# Altium PCB IN-14辉光钟_PCB.PcbDoc (part 2 of 2)
Units mil, origin at the board's own origin, x right, y up, seen from the top; angles counter-clockwise.
Board outline 7883.4 x 2962.79 mil, 2 copper layers (Top Layer, Bottom Layer); 148 components, 171 nets, 658 pads, 217 vias.
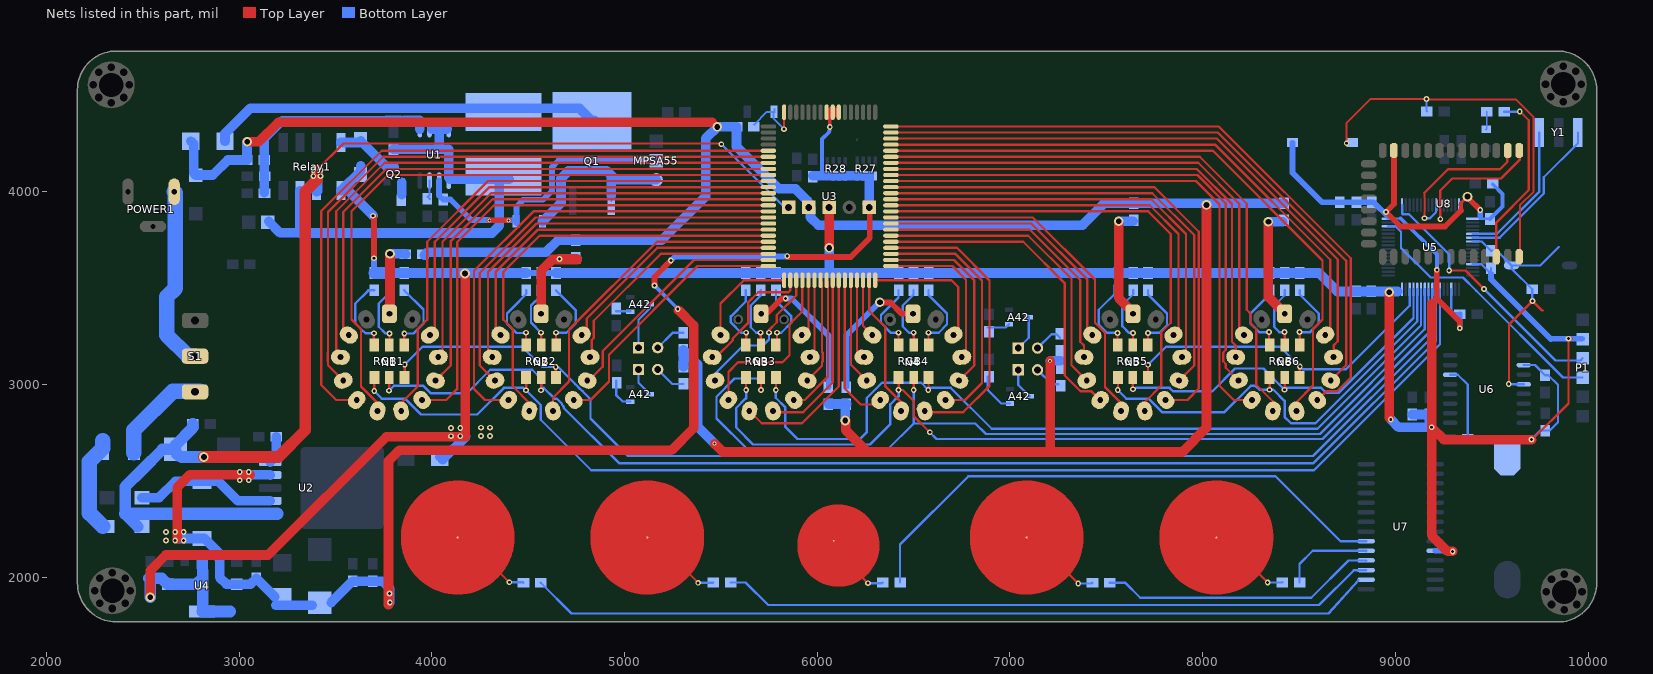
[diagram p2: the nets of this part, all layers, seen from the top]

## Via types
v1: diameter 30, hole 15, Top Layer to Bottom Layer, tented both sides, 148 vias
v2: diameter 26, hole 13, Top Layer to Bottom Layer, tented both sides, 41 vias
v3: diameter 50, hole 30, Top Layer to Bottom Layer, tented both sides, 16 vias
v4: diameter 20, hole 10, Top Layer to Bottom Layer, 7 vias
v5: diameter 30, hole 16, Top Layer to Bottom Layer, tented both sides, 3 vias
v6: diameter 50, hole 25, Top Layer to Bottom Layer, 2 vias

## Nets (pads, with @x,y where several pads share a name; then routed paths per layer and width w, separated by ;. In a path a pad name is that pad's centre, name@x,y a point inside that pad or via, vN(x,y) a via of type N, cw(c..) or ccw(c..) an arc to the next point about the centre after c; other vN are vias at no path point) (continued)
LED1: RGB1.6 RGB2.6 U5.22 | length 6553.9
  Top Layer w12: v1(3701,2965) 3701.77,2965.77 RGB1.6@3701.77,3035.34 ; v1(4488,2969) 4489.17,2970.17 RGB2.6@4489.17,3035.34
  Bottom Layer w12: v1(3701,2965) 3740.3,2925.7 3743.16,2925.7 3860.93,2925.7 3943.62,2843 4235,2843 4373.6,2981.6 4475.4,2981.6 v1(4488,2969) 4565,2892 4565,2816 4827,2554 8577.62,2554 9231.21,3207.59 U5.22@9231.21,3493.5
LED2: RGB1.5 RGB2.5 U5.23 | length 6431.6
  Top Layer w12: v1(3777,2967) 3779.53,2969.53 RGB1.5@3779.53,3035.34 ; RGB2.5@4566.93,3035.34 4566.93,2969.07 v1(4567,2969)
  Bottom Layer w12: v1(3777,2967) 3802,2992 3957,2992 3996,2953 4180.71,2953 4303.28,3075.57 4521.43,3075.57 4567,3030 v1(4567,2969) 4580,2982 4636.3,2925.7 4648.33,2925.7 4675.16,2898.87 4675.16,2893.73 4683.62,2885.27 4683.62,2878.38 4971,2591 8575.25,2591 9210.84,3226.59 9210.84,3492.81 U5.23@9211.53,3493.5
LED3: RGB1.4 RGB2.4 U5.24 | length 6298.7
  Top Layer w12: RGB1.4@3857.28,3035.34 3859,3037.05 v1(3859,3103) ; v1(4643,3090) 4643,3037.02 RGB2.4@4644.69,3035.34
  Bottom Layer w12: v1(3859,3103) 3951.3,3195.3 3959.09,3195.3 3959.29,3195.1 3998.27,3195.1 3998.47,3195.3 4347.99,3195.3 4348.19,3195.1 4387.17,3195.1 4387.37,3195.3 4467.7,3195.3 4573,3090 v1(4643,3090) 4656.26,3090 4744.15,3002.11 4744.15,3001.08 4769.3,2975.93 4770.33,2975.93 4782.86,2963.4 ; 4777.5,2967.5 4823,2922 4823,2823 5018,2628 8572.88,2628 9191.84,3246.96 U5.24@9191.84,3493.5
LED4: RGB3.6 RGB4.6 U5.25 | length 4779.1
  Top Layer w12: RGB3.6@5629.92,3035.34 5629.92,2972.08 v1(5631,2971) ; RGB4.6@6422.05,3035.34 v1(6422,2971) v1(6422,2971) 6443,2971 6501.84,2912.16 6501.84,2833.12 v1(6584,2751)
  Bottom Layer w12: v1(5631,2971) 5631,2927 5629.7,2925.7 5627.24,2925.7 5579,2877.46 5579,2776 5667,2688 6273,2688 6379.36,2794.36 6379.36,2896.22 6422,2938.86 v1(6422,2971) ; v1(6584,2751) 6618.46,2716.54 8622.05,2716.54 9172.16,3266.65 U5.25@9172.16,3493.5 U5.25@9172,3493.65
LED5: RGB3.5 RGB4.5 U5.26 | length 4987.8
  Top Layer w12: RGB3.5@5707.68,3035.34 5707.68,2971.32 v1(5708,2971) ; RGB4.5@6499.8,3035.34 6499.8,2971.2 v1(6500,2971)
  Bottom Layer w12: v1(5708,2971) 5708,3009 5687,3030 5571,3030 5476.9,2935.9 5476.9,2823.1 5640,2660 6363,2660 6500,2797 ; v1(6500,2971) 6500,2797 ; U5.26@9152.47,3493.5 9152.47,3286.33 8608.14,2742 6875,2742 6820,2797 6500,2797
LED6: RGB3.4 RGB4.4 U5.27 | length 4409
  Top Layer w12: v1(5785,2971) 5785.43,2971.43 RGB3.4@5785.43,3035.34 ; v1(6576,2971) 6577.56,2972.56 RGB4.4@6577.56,3035.34
  Bottom Layer w12: v1(5785,2971) 5785,2930.76 5833,2882.76 5833,2781 5898,2716 6222,2716 6256,2750 6256,2928 6336,3008 6539,3008 v1(6576,2971) 6586.58,2981.58 6692.78,2981.58 6905.37,2769 8595.77,2769 9132.79,3306.02 U5.27@9132.79,3493.5
LED7: RGB5.6 RGB6.6 U5.28 | length 2303
  Top Layer w12: v1(7559,2970) 7560.04,2971.04 RGB5.6@7560.04,3035.34 ; v1(8346,2972) 8347.44,2973.44 RGB6.6@8347.44,3035.34
  Bottom Layer w12: v1(7559,2970) 7603.3,2925.7 7719.19,2925.7 7789.11,2855.78 8113.56,2855.78 8249.78,2992 8274.62,2992 8294.62,2972 v1(8346,2972) 8367,2972 8425,2914 8425,2831 8458.17,2797.83 8585.23,2797.83 9113.1,3325.7 U5.28@9113.1,3493.5
LED8: RGB5.5 RGB6.5 U5.29 | length 2011.4
  Top Layer w12: v1(7637.8,2974.2) RGB5.5@7637.8,3035.34 ; v1(8425,2972) 8425.2,2972.2 RGB6.5@8425.2,3035.34
  Bottom Layer w12: v1(7637.8,2974.2) 7646.2,2974.2 7653.58,2981.58 7828.42,2981.58 7846.6,2963.4 8049.38,2963.4 8167.98,3082 8315,3082 v1(8425,2972) 8434.58,2981.58 8615.42,2981.58 8642,2955 8705,2955 9093.42,3343.42 U5.29@9093.42,3493.5
LED9: RGB5.4 RGB6.4 U5.30 | length 1790.8
  Top Layer w12: RGB5.4@7715.55,3035.34 7716,3035.79 v1(7716,3101) ; RGB6.4@8502.95,3035.34 8504,3036.39 v1(8504,3092)
  Bottom Layer w12: v1(7716,3101) 7810.1,3195.1 7868.22,3195.1 7868.42,3195.3 7926.79,3195.3 7926.99,3195.1 8136.01,3195.1 8136.2,3195.3 8194.57,3195.3 8194.77,3195.1 8400.9,3195.1 v1(8504,3092) 8518,3078 8744,3078 9073.73,3407.73 U5.30@9073.73,3493.5
MODE: R51.2 U7.2 | length 4385
  Bottom Layer w12: R51.2@4565.49,1970.8 4725.26,1811.02 8651.94,1811.02 U7.2@8807.71,1983.46
N1_0: N6.12 U3.21 | length 2928.2
  Top Layer w12: U3.21@6382.16,4243.74 8064.26,4243.74 8661.42,3646.58 8661.42,3281.23 N6.12@8635.8,3255.61
N1_1: N6.3 U3.18 | length 2586.7
  Top Layer w12: U3.18@6382.16,4149.25 7976.73,4149.25 8188.98,3937.01 8188.98,3281.22 N6.3@8214.59,3255.61
N1_2: N6.4 U3.17 | length 2647.2
  Top Layer w12: U3.17@6382.16,4117.76 7968.86,4117.76 8151.58,3935.04 8151.58,3221.39 8171.16,3201.81 N6.4@8171.16,3141.09
N1_3: N6.5 U3.16 | length 2757.2
  Top Layer w12: U3.16@6382.16,4086.26 7972.74,4086.26 8120,3939 8120,3179.1 8106.08,3165.18 8106.08,3119.37 8120,3105.45 8120,3085.41 N6.5@8185.92,3019.5
N1_4: N6.6 U3.15 | length 2894.8
  Top Layer w12: U3.15@6382.16,4054.76 7965.61,4054.76 8087,3933.37 8087,2993 8161.31,2918.69 N6.6@8255.49,2918.69
N1_5: N6.7 U3.19 | length 3078.6
  Top Layer w12: U3.19@6382.16,4180.75 7984.61,4180.75 8228.35,3937.01 8228.35,3387.45 8248.01,3367.78 8248.01,3316.11 8278,3286.12 8278,2998 8363.95,2912.05 N6.7@8363.95,2861.77
N1_6: N6.8 U3.20 | length 3313.1
  Top Layer w12: U3.20@6382.16,4212.24 8052.76,4212.24 8622.05,3642.95 8622.05,3335.78 8572.78,3286.52 8572.78,2993.78 8486.43,2907.43 N6.8@8486.43,2861.76
N1_7: N6.9 U3.24 | length 3509.2
  Top Layer w12: U3.24@6382.16,4338.23 8083.77,4338.23 8768,3654 8768,3035.58 8695.82,2963.4 8639.6,2963.4 N6.9@8594.88,2918.68
N1_8: N6.10 U3.23 | length 3292.3
  Top Layer w12: U3.23@6382.16,4306.73 8078.27,4306.73 8744.31,3640.69 8744.31,3099.32 N6.10@8664.47,3019.48
N1_9: N6.11 U3.22 | length 3093.8
  Top Layer w12: U3.22@6382.16,4275.24 8072.76,4275.24 8700.79,3647.21 8700.79,3223.36 8679.24,3201.81 N6.11@8679.24,3141.09
N2_0: N5.12 U3.11 | length 2088.2
  Top Layer w12: U3.11@6382.16,3928.78 7724.76,3928.78 7874.02,3779.53 7874.02,3281.23 N5.12@7848.4,3255.61
N2_1: N5.3 U3.8 | length 1438.3
  Top Layer w12: U3.8@6382.16,3834.29 7110.59,3834.29 7401.57,3543.31 7401.57,3281.22 N5.3@7427.19,3255.61
N2_2: N5.4 U3.7 | length 1498.7
  Top Layer w12: U3.7@6382.16,3802.8 7102.72,3802.8 7364.17,3541.34 7364.17,3221.39 7383.76,3201.81 N5.4@7383.76,3141.09
N2_3: N5.5 U3.6 | length 1590.3
  Top Layer w12: U3.6@6382.16,3771.3 7094.84,3771.3 7318.68,3547.46 7318.68,3099.33 N5.5@7398.52,3019.5
N2_4: N5.6 U3.5 | length 1706.3
  Top Layer w12: U3.5@6382.16,3739.8 7069.2,3739.8 7283.46,3525.54 7283.46,3047.12 7367.17,2963.42 7423.37,2963.42 N5.6@7468.09,2918.69
N2_5: N5.7 U3.9 | length 1930.1
  Top Layer w12: U3.9@6382.16,3865.79 7118.46,3865.79 7440.94,3543.31 7440.94,3320.06 7493,3268 7493,2986.22 7576.54,2902.67 N5.7@7576.54,2861.77
N2_6: N5.8 U3.10 | length 2475.2
  Top Layer w12: U3.10@6382.16,3897.28 7716.89,3897.28 7834.65,3779.53 7834.65,3319.51 7785.38,3270.25 7785.38,2993.38 7699.03,2907.03 N5.8@7699.03,2861.76
N2_7: N5.9 U3.14 | length 2704.5
  Top Layer w12: U3.14@6382.16,4023.27 7748.39,4023.27 7980,3791.65 7980,2978 7920.68,2918.68 N5.9@7807.48,2918.68
N2_8: N5.10 U3.13 | length 2452.1
  Top Layer w12: U3.13@6382.16,3991.77 7738.36,3991.77 7956.91,3773.22 7956.91,3099.32 N5.10@7877.07,3019.48
N2_9: N5.11 U3.12 | length 2253.5
  Top Layer w12: U3.12@6382.16,3960.28 7732.64,3960.28 7913.39,3779.53 7913.39,3162.64 N5.11@7891.83,3141.09
N3_0: N4.12 U3.80 | length 705.7
  Top Layer w12: U3.80@6300.46,3540 6696.22,3540 6732.28,3503.94 6732.28,3281.23 N4.12@6706.67,3255.61
N3_1: N4.3 U3.78 | length 304.3
  Top Layer w12: U3.78@6237.47,3540 6237.47,3303.59 N4.3@6285.46,3255.61
N3_2: N4.4 U3.77 | length 413.8
  Top Layer w12: U3.77@6205.98,3540 6205.98,3177.13 N4.4@6242.02,3141.09
N3_3: N4.5 U3.76 | length 554.6
  Top Layer w12: U3.76@6174.48,3540 6174.48,3101.8 N4.5@6256.78,3019.5
N3_4: N4.6 U3.75 | length 783.6
  Top Layer w12: U3.75@6143,3534.02 6143,2978 6226.02,2894.98 6302.65,2894.98 N4.6@6326.36,2918.69
N3_5: N4.7 U3.79 | length 746.9
  Top Layer w12: U3.79@6268.97,3540 6268.97,3381.5 6352,3298.46 6352,2991 6434.81,2908.19 N4.7@6434.81,2861.77
N3_6: N4.8 U3.4 | length 1524.6
  Top Layer w12: U3.4@6382.16,3708.31 6724.76,3708.31 6894,3539.07 6894,2992 6757.78,2855.78 6563.28,2855.78 N4.8@6557.3,2861.76
N3_7: N4.9 U3.3 | length 1315.7
  Top Layer w12: U3.3@6354,3676.81 U3.3@6382.16,3676.81 6716.89,3676.81 6855,3538.7 6855,3007 6766.68,2918.68 N4.9@6665.75,2918.68
N3_8: N4.10 U3.2 | length 1006.7
  Top Layer w12: U3.2@6405.16,3645.32 6709.02,3645.32 6815.18,3539.16 6815.18,3099.32 N4.10@6735.33,3019.48
N3_9: N4.11 U3.1 | length 807.1
  Top Layer w12: U3.1@6405.16,3613.82 6701.14,3613.82 6772,3542.96 6772,3162.98 N4.11@6750.1,3141.09
N4_0: N3.12 U3.69 | length 298.8
  Top Layer w12: N3.12@5919.27,3255.61 5954.01,3290.35 U3.69@5954.01,3540
N4_1: N3.3 U3.65 | length 543.5
  Top Layer w12: N3.3@5498.06,3255.61 5498.06,3419.06 5619,3540 U3.65@5828.02,3540
N4_2: N3.4 U3.66 | length 670.5
  Top Layer w12: N3.4@5454.62,3141.09 5474.89,3141.09 5561.07,3227.27 5561.07,3237.67 5641,3317.6 5641,3425 5694,3478 5851,3478 5859.52,3486.52 U3.66@5859.52,3540
N4_3: N3.5 U3.67 | length 755.3
  Top Layer w12: v1(5749,3268) 5749,3282 5789.59,3322.59 5789.59,3359.59 5847,3417 5847.6,3417 5891.02,3460.42 U3.67@5891.02,3540
  Bottom Layer w12: N3.5@5469.38,3019.5 5469.38,3054.38 5616,3201 5718,3201 5749,3232 v1(5749,3268)
N4_4: N3.6 U3.68 | length 914.9
  Top Layer w12: N3.6@5538.96,2918.69 5538.96,3063.96 5589,3114 5819,3114 5856,3151 5856,3311.5 5922.51,3378.02 U3.68@5922.51,3540
N4_5: N3.7 U3.74 | length 1121
  Top Layer w12: N3.7@5647.41,2861.77 5711.35,2797.83 5920.83,2797.83 6111.49,2988.49 U3.74@6111.49,3540
N4_6: N3.8 U3.73 | length 907
  Top Layer w12: N3.8@5769.89,2861.76 5775.88,2855.78 5926.78,2855.78 6079.99,3008.99 U3.73@6079.99,3540
N4_7: N3.9 U3.72 | length 730.9
  Top Layer w12: N3.9@5878.35,2918.68 5934.56,2918.68 6056,3040.12 6056,3532.5 U3.72@6048.5,3540
N4_8: N3.10 U3.71 | length 558.1
  Top Layer w12: N3.10@5947.93,3019.48 6024.67,3096.22 6024.67,3116.26 6027.77,3119.37 6027.77,3165.18 6024.67,3168.28 6024.67,3532.33 U3.71@6017,3540
N4_9: N3.11 U3.70 | length 408.4
  Top Layer w12: N3.11@5962.7,3141.09 5985.5,3163.89 U3.70@5985.5,3540
N5_0: N2.12 U3.61 | length 1214.4
  Top Layer w12: N2.12@4777.53,3255.61 4803.15,3281.23 4803.15,3341.15 5170.31,3708.31 U3.61@5746.33,3708.31 U3.61@5769.33,3708.31
N5_1: N2.3 U3.58 | length 1867.5
  Top Layer w12: N2.3@4356.32,3255.61 4330.71,3281.23 4330.71,3582.68 4550.83,3802.8 U3.58@5746.33,3802.8 U3.58@5769.33,3802.8
N5_2: N2.4 U3.57 | length 2033
  Top Layer w12: N2.4@4312.89,3141.09 4291,3162.98 4291,3582.34 4542.95,3834.29 U3.57@5746.33,3834.29 U3.57@5769.33,3834.29
N5_3: N2.5 U3.56 | length 2231.1
  Top Layer w12: N2.5@4327.65,3019.5 4247.82,3099.33 4247.82,3575.95 4537.66,3865.79 U3.56@5746.33,3865.79 U3.56@5769.33,3865.79
N5_4: N2.6 U3.55 | length 2493
  Top Layer w12: N2.6@4397.23,2918.69 4276.31,2918.69 4219,2976 4219,3589.08 4527.2,3897.28 U3.55@5746.33,3897.28 U3.55@5769.33,3897.28
N5_5: N2.7 U3.59 | length 2254.6
  Top Layer w12: N2.7@4505.68,2861.77 4505.68,2903.32 4419.34,2989.66 4419.34,3286.52 4370.08,3335.78 4370.08,3582.68 4558.9,3771.5 5746.13,3771.5 U3.59@5746.33,3771.3 U3.59@5769.33,3771.3
N5_6: N2.8 U3.60 | length 1703.1
  Top Layer w12: N2.8@4628.16,2861.76 4628.16,2930.16 4712,3014 4712,3284 5167.8,3739.8 U3.60@5746.33,3739.8 U3.60@5769.33,3739.8
N5_7: N2.9 U3.64 | length 1403
  Top Layer w12: N2.9@4736.62,2918.68 4822.47,2918.68 4823,2918.15 4919,3014.15 4919,3154 5378.82,3613.82 U3.64@5746.33,3613.82 U3.64@5769.33,3613.82
N5_8: N2.10 U3.63 | length 1269.2
  Top Layer w12: N2.10@4806.2,3019.48 4814.39,3019.48 4886.04,3091.13 4886.04,3171.04 5360.31,3645.32 U3.63@5746.33,3645.32 U3.63@5769.33,3645.32
N5_9: N2.11 U3.62 | length 1269.2
  Top Layer w12: N2.11@4820.97,3141.09 4820.97,3163.97 4830,3173 4830,3230.42 4840.55,3240.97 4840.55,3329.55 5187.81,3676.81 U3.62@5746.33,3676.81 U3.62@5769.33,3676.81
N6_0: N1.12 U3.51 | length 2366
  Top Layer w12: N1.12@3990.13,3255.61 4015.75,3281.23 4015.75,3740.16 4298.86,4023.27 U3.51@5746.33,4023.27 U3.51@5769.33,4023.27
N6_1: N1.3 U3.48 | length 2972.6
  Top Layer w12: N1.3@3568.92,3255.61 3540,3284.53 3540,3894.33 3763.43,4117.76 U3.48@5746.33,4117.76 U3.48@5769.33,4117.76
N6_2: N1.4 U3.47 | length 3135.1
  Top Layer w12: N1.4@3525.49,3141.09 3503.94,3162.64 3503.94,3897.64 3755.55,4149.25 U3.47@5746.33,4149.25 U3.47@5769.33,4149.25
N6_3: N1.5 U3.46 | length 3335
  Top Layer w12: N1.5@3540.25,3019.5 3461,3098.75 3461,3118.78 3460.41,3119.37 3460.41,3165.18 3461,3165.77 3461,3894.07 3747.68,4180.75 U3.46@5746.33,4180.75 U3.46@5769.33,4180.75
N6_4: N1.6 U3.45 | length 3591.7
  Top Layer w12: N1.6@3609.83,2918.69 3504.31,2918.69 3425.2,2997.8 3425.2,3897.64 3739.8,4212.24 U3.45@5746.33,4212.24 U3.45@5769.33,4212.24
N6_5: N1.7 U3.49 | length 3356.8
  Top Layer w12: N1.7@3718.28,2861.77 3718.28,2902.72 3632,2989 3632,3286.46 3582.68,3335.78 3582.68,3897.64 3771.3,4086.26 U3.49@5746.33,4086.26 U3.49@5769.33,4086.26
N6_6: N1.8 U3.50 | length 2857.8
  Top Layer w12: N1.8@3840.76,2861.76 3840.76,2902.76 3927,2989 3927,3270 3927.12,3270.12 3927.12,3286.52 3976.38,3335.78 3976.38,3740.16 4290.98,4054.76 U3.50@5746.33,4054.76 U3.50@5769.33,4054.76
N6_7: N1.9 U3.54 | length 2685.1
  Top Layer w12: N1.9@3949.22,2918.68 4074.68,2918.68 4131,2975 4131,3737.3 4322.48,3928.78 U3.54@5746.33,3928.78 U3.54@5769.33,3928.78
N6_8: N1.10 U3.53 | length 2518
  Top Layer w12: N1.10@4018.8,3019.48 4098.64,3099.32 4098.64,3744.31 4314.61,3960.28 U3.53@5746.33,3960.28 U3.53@5769.33,3960.28
N6_9: N1.11 U3.52 | length 2426.4
  Top Layer w12: N1.11@4033.57,3141.09 4055.12,3162.64 4055.12,3740.16 4306.73,3991.77 U3.52@5746.33,3991.77 U3.52@5769.33,3991.77
NetB1_1: B1.1 C22.1 U6.14 | length 607.7
  Bottom Layer w12: U6.14@9284.06,3050 9324,3050 9375,2999 C22.1@9375,2717 B1.1@9588.64,2717
NetC2_2: C2.2 R1.2 R2.1 U1.5 | length 1151.3
  Bottom Layer w50: R2.1@3130,3995 3130,4274.32 3223.68,4368 3762,4368 ; 3762.75,4371 3839.25,4371 ; 3858,4370 3937.61,4370 U1.5@3937.61,4324.92
NetC3_1: C3.1 U1.3 | length 101.9
  Bottom Layer w12: U1.3@3987.61,4057.2 3987.61,3981.61 3979,3973 C3.1@3989,3963
NetC4_1: C4.1 C5.2 L2.2 Relay1.3 U1.1 U1.6 U1.7 U1.8 | length 2656.4
  Bottom Layer w12: U1.6@3987.61,4324.92 U1.6@3999,4324.92 ; L2.2@4350,4057 L2.2@4371,4078
  Bottom Layer w50: C4.1@3153.5,3845.5 3213,3786 3315,3786 3315,4004.61 Relay1.3@3315.39,4005 ; 3315,3785 4312,3785 4350,3823 L2.2@4350,4057 ; C5.2@3801,4219 4038,4219 ; U1.6@3999,4324.92 U1.7@4037.61,4324.92 ; U1.8@4078.61,4324.92 U1.7@4037.61,4324.92 ; U1.1@4087.61,4073 4087.61,4219 4038,4219 ; U1.1@4093,4064 L2.2@4400,4064 ; U1.7@4037.61,4324.92 4038,4324.54 4038,4219
NetD1_1: D1.1 F1.2 | length 502.8
  Bottom Layer w80: F1.2@2292.58,2707 F1.2@2292.58,2669 2223,2599.42 2223,2332 D1.1@2293,2262
NetD2_2: D2.2 L1.1 U2.2 | length 743.1
  Bottom Layer w50: D2.2@2495,2412 2584,2412 2668.89,2496.89 L1.1@2806.44,2496.89 2892.11,2496.89 2993.68,2395.32 U2.2@3160.85,2395.32
NetD3_2: D3.2 R10.2 U3.40 | length 349.6
  Top Layer w10: v1(5828,4324) U3.40@5828.02,4412.05
  Bottom Layer w10: R10.2@5672.49,4347.8 5738.69,4414 D3.2@5774.9,4414 5778.9,4418 D3.2@5778.9,4429 ; D3.2@5778.8,4413 5772,4406.2 5772,4380 v1(5828,4324)
NetD4_1: D4.1 L2.1 Q1.2 | length 2036
  Bottom Layer w50: D4.1@2926.58,4262 2926.58,4301.58 3057,4432 4766,4432 4828.71,4369.29 Q1.2@4843,4369.29
NetD7_1: D7.1 Q2.3 Relay1.8 | length 335.8
  Bottom Layer w50: Relay1.8@3527.98,4255 3623,4255 3631,4263 3765,4129 Q2.3@3805,4129
NetD?_1: IN914.1 MPSA55.1 R6.2 U1.2 | length 1510.4
  Top Layer w30: v4(4298,3851) v4(4397,3851)
  Bottom Layer w30: U1.2@4037.61,4057.2 4037.61,3980.39 R6.2@4059,3959 4097,3959 4204,3852 v4@4295,3852 ; v4(4397,3851) 4430.2,3851 IN914.1@4436.2,3845 ; IN914.1@4439,3836 4439,3922.1 4474.47,3957.57 4576.96,3957.57 4623,4003.61 4623,4127 4657,4161 MPSA55.1@5164,4161
NetD?_2: IN914.2 MPSA55.2 Q1.1 | length 926.9
  Bottom Layer w10: Q1.1@4931,3949.68 Q1.1@4931,3978.34
  Bottom Layer w50: IN914.2@4574,3845 4670,3941 4670,4069 4708,4107 4908,4107 4931,4084 ; Q1.1@4931,3978.34 4931,4084 ; MPSA55.2@5164,4061 4954,4061 4931,4084
NetDS1_1: A42.3@7102.18,2938 DS1.1 | length 161.5
  Bottom Layer w12: DS1.1@7043,3075 7043,2997.18 A42.3@7102.18,2938
NetDS1_2: 240K.1@7263.2,2993.49 DS1.2 | length 139.1
  Bottom Layer w12: DS1.2@7143,3075 7218,3000 240K.1@7251,3000
NetDS2_1: A42.3@7097.18,3349 DS2.1 | length 183.4
  Bottom Layer w12: DS2.1@7043,3188 7097.18,3242.18 A42.3@7097.18,3349
NetDS2_2: 240K.1@7262,3263 DS2.2 | length 154.4
  Bottom Layer w12: DS2.2@7143,3188 7215,3260 7241,3260 240K.1@7259.77,3241.23
NetDS3_1: A42.3@5132.18,3415 DS3.1 | length 249.9
  Bottom Layer w12: DS3.1@5072,3190 5072,3335 5132.18,3395.18 A42.3@5132.18,3415
NetDS3_2: 240K.1@5305,3268 DS3.2 | length 163.9
  Bottom Layer w12: DS3.2@5172,3190 5249,3267 240K.1@5304,3267
NetDS4_1: A42.3@5132.18,2948 DS4.1 | length 153.9
  Bottom Layer w12: DS4.1@5072,3077 5072,3008.18 A42.3@5132.18,2948
NetDS4_2: 240K.1@5306,3002 DS4.2 | length 164.1
  Bottom Layer w12: DS4.2@5172,3077 5247,3002 240K.1@5305,3002
NetF1_1: F1.1 S1.1 | length 541.9
  Bottom Layer w80: F1.1@2454,2645 F1.1@2454,2669 2454,2762 2656,2964 S1.1@2795.28,2964
NetK2_1: K2.1 R51.1 | length 476.2
  Top Layer w12: 4133.86,2263.78 4133.86,2241.14 4205.29,2169.71 v1(4402,1973)
  Bottom Layer w12: v1(4402,1973) 4473.28,1973 R51.1@4475.49,1970.8
NetK3_1: K3.1 R52.1 | length 433.4
  Top Layer w12: 5236.22,2263.78 5252,2248 5252,2100 v1(5382,1970)
  Bottom Layer w12: v1(5382,1970) 5458.69,1970 R52.1@5460.49,1971.8
NetK4_1: K4.1 R54.1 | length 435.7
  Top Layer w12: 7204.72,2263.78 7204.72,2115.28 v1(7354,1966)
  Bottom Layer w12: v1(7354,1966) 7423,1966 R54.1@7428,1971
NetK5_1: K5.1 R56.1 | length 430.8
  Top Layer w12: 8188.98,2263.78 8188.98,2120.02 v1(8337.2,1971.8)
  Bottom Layer w12: v1(8337.2,1971.8) R56.1@8412.49,1971.8 R56.1@8414,1973.31
NetLED1_1: LED1.1 R55.1 | length 93.3
  Bottom Layer w10: LED1.1@9470.95,4322.98 9474,4326.03 R55.1@9474,4415
NetLOGO1_1: LOGO1.1 R49.1 | length 369.1
  Top Layer w12: 6174.68,2222.46 6220.47,2176.67 6220.47,2010.53 v1(6263,1968)
  Bottom Layer w12: v1(6263,1968) 6335.69,1968 R49.1@6339.49,1971.8
NetN1_1: N1.1 R20.2 | length 416.1
  Top Layer w12: N1.1@3762,3351 N1.1@3783,3372 ; v3@3783,3662 v3@3794,3673
  Top Layer w50: N1.1@3783,3372 v3@3783,3662
  Bottom Layer w50: v3(3783,3677) 3861,3677 R20.2@3863,3675
NetN2_1: N2.1 R21.2 | length 680.6
  Top Layer w50: N2.1@4566.93,3366.14 4566.93,3589.24 4625.69,3648 4755,3648 4752,3651 v1(4663,3651)
  Bottom Layer w50: v1(4663,3651) 4752.98,3651 4753.98,3650 4754.49,3650.51 4694.8,3650.51
NetN3_1: N3.1 R29.2 | length 729.3
  Top Layer w20: N3.1@5708.66,3366.14 N3.1@5737.14,3366.14
  Top Layer w30: N3.1@5737.14,3366.14 5816,3445 v1(5836,3445)
  Bottom Layer w30: v1(5836,3445) 5866,3445 6059,3252 R29.2@6059,2985.6
NetN4_1: N4.1 R30.2 | length 698
  Top Layer w30: v3@6336,3424 6380,3424 6437.86,3366.14 N4.1@6496.06,3366.14
  Bottom Layer w12: R30.2@6150.2,2985.6 R30.2@6152,2987.39 ; v3@6318,3421 6323,3426 v3(6325,3426)
  Bottom Layer w30: R30.2@6152,2987.39 6152,3255 v3@6318,3421
NetN5_1: N5.1 R35.2 | length 594.8
  Top Layer w12: N5.1@7637.8,3366.14 N5.1@7642,3370.35
  Top Layer w50: v3(7564,3846) 7564,3448.35 N5.1@7642,3370.35
  Bottom Layer w12: R35.2@7638.49,3846 R35.2@7643,3850.51
  Bottom Layer w50: v3(7564,3846) R35.2@7638.49,3846
NetN6_1: N6.1 R36.2 | length 596.9
  Top Layer w12: N6.1@8425.2,3366.14 N6.1@8426,3366.95
  Top Layer w50: v1(8341,3844) 8341,3451.95 N6.1@8426,3366.95
  Bottom Layer w12: R36.2@8415.28,3844 R36.2@8421.8,3850.51
  Bottom Layer w50: v1(8341,3844) R36.2@8415.28,3844
  other v3: 8341,3844
NetPOWER1_1: POWER1.1 S1.2 | length 956.6
  Bottom Layer w80: POWER1.1@2663,3999 2668.9,3993.1 2668.9,3498.62 2624,3453.72 2624,3256 2734,3146 S1.2@2771,3146
NetQ2_1: Q2.1 R14.1 | length 64
  Bottom Layer w50: R14.1@3843,3985 Q2.1@3843,4049
NetQ3_1: 33K.2@6890.8,3039.51 A42.1@6999.82,2900.6 | length 214
  Bottom Layer w12: 33K.2@6884,3040 6884,2971 6954.4,2900.6 A42.1@6999.82,2900.6
NetQ4_1: 33K.2@6890.8,3272.51 A42.1@6994.82,3311.6 | length 117.9
  Bottom Layer w12: 33K.2@6884,3294.54 6977.76,3294.54 A42.1@6994.82,3311.6
NetQ5_1: 33K.2@4957.2,3393.49 A42.1@5029.82,3377.6 | length 74.2
  Bottom Layer w12: 33K.2@4956,3378.46 5028.95,3378.46 A42.1@5029.82,3377.6
NetQ6_1: 33K.2@4958.94,3007.68 A42.1@5029.82,2910.6 | length 161.6
  Bottom Layer w12: 33K.2@4956,3018.54 4956,2945 4990.4,2910.6 A42.1@5029.82,2910.6
NetR3_2: R3.2 RGB1.1 | length 393.5
  Top Layer w12: v1(3857,3264) 3857,3204.91 RGB1.1@3857.28,3204.63
  Bottom Layer w12: v1(3857,3264) 3904.6,3264 3956.71,3316.11 3956.71,3387.8 R3.2@3857,3487.51
NetR4_2: R4.2 RGB1.2 | length 341.8
  Top Layer w12: RGB1.2@3779.53,3204.63 3780,3205.1 v1(3780,3264)
  Bottom Layer w12: v1(3780,3264) 3759,3264 3724,3299 3724,3419 3780,3475 R4.2@3780,3487.51
NetR5_2: R5.2 RGB1.3 | length 410.3
  Top Layer w12: v1(3699,3265) 3699,3207.4 RGB1.3@3701.77,3204.63
  Bottom Layer w12: v1(3699,3265) 3655.46,3265 3646.03,3274.43 3644.03,3274.43 3604.53,3313.93 3604.53,3315.93 3602.35,3318.11 3602.35,3419.35 3670.51,3487.51 R5.2@3701.8,3487.51
NetR7_2: R7.2 U2.5 | length 144.8
  Bottom Layer w50: U2.5@3160.85,2596.11 3192,2627.26 R7.2@3192,2728
NetR8_2: R8.2 RGB2.1 | length 399.3
  Top Layer w12: v1(4644,3268) 4644,3205.32 RGB2.1@4644.69,3204.63
  Bottom Layer w12: v1(4644,3268) 4698,3268 4746,3316 4746,3385.51 R8.2@4644,3487.51
NetR9_2: R9.2 RGB2.2 | length 326.8
  Top Layer w12: RGB2.2@4566.93,3204.63 4567,3204.7 v1(4567,3268)
  Bottom Layer w12: v1(4567,3268) 4514.56,3320.44 4514.56,3409.21 4568,3462.65 R9.2@4568,3487.51
NetR11_2: R11.2 RGB2.3 | length 400.7
  Top Layer w12: v1(4488,3268) 4488,3205.8 RGB2.3@4489.17,3204.63
  Bottom Layer w12: 4421.19,3399.23 4389.75,3367.78 4389.75,3316.11 4439.86,3266 4486,3266 4484,3268 v1(4488,3268) ; 4421.23,3399.23 4490.2,3468.2 R11.2@4490.2,3487.51
NetR12_2: R12.2 RGB3.1 | length 361.6
  Top Layer w12: RGB3.1@5785.43,3204.63 5791,3210.2 v1(5791,3268)
  Bottom Layer w12: R12.2@5786,3487.51 5786,3432.16 5865.59,3352.57 5865.59,3321.09 5812.5,3268 v1(5791,3268)
NetR13_2: R13.2 RGB3.2 | length 339.7
  Top Layer w12: v1(5706,3268) 5706,3206.31 RGB3.2@5707.68,3204.63
  Bottom Layer w12: v1(5706,3268) 5683,3268 5655,3296 5655,3409 5707,3461 R13.2@5707,3487.51
NetR15_2: R15.2 RGB3.3 | length 363.6
  Top Layer w12: RGB3.3@5629.92,3204.63 5631,3205.71 v1(5631,3268)
  Bottom Layer w12: R15.2@5629.2,3487.51 5629.2,3430.04 5551.74,3352.57 5551.74,3321.09 5604.83,3268 v1(5631,3268)
NetR16_2: R16.2 RGB4.1 | length 393.6
  Top Layer w12: v1(6577,3268) 6577,3205.19 RGB4.1@6577.56,3204.63
  Bottom Layer w12: v1(6577,3268) 6630,3268 6673.24,3311.24 6673.24,3367.78 6577.59,3463.44 R16.2@6577.59,3487.51
NetR17_2: R17.2 RGB4.2 | length 343.5
  Top Layer w12: RGB4.2@6499.8,3204.63 6500,3204.83 v1(6500,3268)
  Bottom Layer w12: R17.2@6499.59,3487.51 6499.59,3465.11 6443.69,3409.21 6443.69,3300.31 6476,3268 v1(6500,3268)
NetR18_2: R18.2 RGB4.3 | length 381.6
  Top Layer w12: v1(6421,3268) 6421,3205.68 RGB4.3@6422.05,3204.63
  Bottom Layer w12: v1@6421,3267 6383,3267 6330.81,3319.19 6330.81,3359.48 6421.8,3450.46 R18.2@6421.8,3487.51
NetR19_2: R19.2 RGB5.1 | length 399.6
  Top Layer w12: RGB5.1@7715.55,3204.63 7716,3205.08 v1(7716,3267)
  Bottom Layer w12: v1(7716,3267) 7775,3267 7815,3307 7815,3367.76 7716.2,3466.55 R19.2@7716.2,3487.51
NetR22_2: R22.2 RGB5.2 | length 340.7
  Top Layer w12: RGB5.2@7637.8,3204.63 7638,3204.83 v1(7638,3267)
  Bottom Layer w12: v1(7638,3267) 7618,3267 7583,3302 7583,3411 7639.2,3467.2 R22.2@7639.2,3487.51
NetR23_2: R23.2 RGB5.3 | length 396.8
  Top Layer w12: v1(7558,3267) 7558,3206.67 RGB5.3@7560.04,3204.63
  Bottom Layer w12: v1(7558,3267) 7505,3267 7460.61,3311.39 7460.61,3386.92 R23.2@7561.2,3487.51
NetR24_2: R24.2 RGB6.1 | length 397.1
  Top Layer w12: RGB6.1@8502.95,3204.63 8503,3204.68 v1(8503,3271)
  Bottom Layer w12: R24.2@8502.8,3487.51 8502.8,3467.36 8602.38,3367.78 8602.38,3316.11 8557.27,3271 v1(8503,3271)
NetR25_2: R25.2 RGB6.2 | length 344.4
  Top Layer w12: v1(8425,3271) 8425,3204.83 RGB6.2@8425.2,3204.63
  Bottom Layer w12: v1(8425,3271) 8397,3271 8371,3297 8371,3407.38 8425.8,3462.18 R25.2@8425.8,3487.51
NetR26_2: R26.2 RGB6.3 | length 394.8
  Top Layer w12: v1(8344,3271) 8344,3208.07 RGB6.3@8347.44,3204.63
  Bottom Layer w12: v1(8344,3271) 8293.12,3271 8248.01,3316.11 8248.01,3367.78 8346.8,3466.56 R26.2@8346.8,3487.51
NetR53_2: R53.2 S2.1 U8.34 | length 1986.8
  Top Layer w10: v1(8747,4251) 8747,4357 8870,4480 v1(9161,4480) 9162,4479 9625,4479 9717,4387 9717,4000 9646,3929 9646,3665.82 U8.34@9642,3661.82
  Bottom Layer w10: v1(9161,4480) 9161,4418.51 R53.2@9163.51,4416
NetR55_2: R55.2 U8.32 | length 925.3
  Top Layer w12: U8.32@9523.89,3661.82 9523.89,3839.89 9692,4008 9692,4370 v1@9645,4417
  Bottom Layer w12: R55.2@9564,4415 v1(9645,4415)
NetU5_5: U5.5 Y1.1 | length 743.7
  Bottom Layer w12: U5.5@9400.5,3780.9 9526.9,3780.9 9747,4001 Y1.1@9747,4307
NetU5_6: U5.6 Y1.2 | length 854.6
  Bottom Layer w12: U5.6@9400.5,3761.21 9541.21,3761.21 9770,3990 9770,4074 9947,4251 Y1.2@9947,4307
ON/OFF: R49.2 U7.6 | length 2901.6
  Bottom Layer w12: R49.2@6429.49,1971.8 6429.49,2168.49 6784,2523 8378,2523 8715,2186 U7.6@8848,2186
RESET: C23.2 K1.1 R39.2 U5.7 U6.4 | length 1406.2
  Top Layer w12: v1(9588,3001) 9589,3000 9589,3310 v1(9711,3432) 9760,3383 9766,3383
  Bottom Layer w12: U5.7@9400.5,3741.53 9447.47,3741.53 R39.2@9496,3693 9527,3693 K1.1@9603,3617 ; v1(9588,3001) 9664.94,3001 U6.4@9665.94,3000 ; v1(9711,3432) 9710.15,3432.85 C23.2@9710.15,3493 9603,3600.15 K1.1@9603,3617 ; 9848,3713 9752,3617 K1.1@9603,3617
RGB: R56.2 U7.5 | length 470.8
  Bottom Layer w12: R56.2@8502.49,1971.8 8502.49,2067.49 8571.46,2136.46 U7.5@8845.46,2136.46 ; U7.5@8845.46,2133.46 U7.5@8848,2136
RX1: U5.59 U8.1 | length 758.5
  Top Layer w12: v1(9233,3857) 9233,4006 9295,4068 9548,4068 9646,4166 U8.1@9646,4222
  Bottom Layer w12: U5.59@9231.21,3930.5 9231.21,3858.79 v1(9233,3857)
SET: R52.2 U7.3 | length 3420.9
  Bottom Layer w12: R52.2@5550.49,1971.8 5628.2,1971.8 5745,1855 8604,1855 8784.46,2035.46 8847.46,2035.46 U7.3@8848,2036
ST/SP: R54.2 U7.4 | length 1443.9
  Bottom Layer w12: R54.2@7518,1971 7597,1971 7676,1892 8563,1892 8756.46,2085.46 U7.4@8845.46,2085.46 ; U7.4@8845.46,2083.46 U7.4@8848,2086
SWCLK: P1.4 U5.49 | length 1351
  Top Layer w12: v1(9279,3591) 9363,3591 v1(9459,3495)
  Bottom Layer w12: U5.49@9034.36,3930.5 9035.14,3929.72 9035.14,3883.36 9036.43,3882.07 9070.93,3882.07 9279,3674 v1(9279,3591) ; v1(9459,3495) 9830,3124 9960,3124 P1.4@9971,3135
SWDIO: P1.3 U5.46 | length 1381.5
  Bottom Layer w12: U5.46@8963.5,3820.27 9000.07,3820.27 9029,3791.34 9029,3708 9183,3554 9350.6,3554 9419.3,3485.3 ; 9419.5,3485.5 9870,3035 P1.3@9971,3035
TX1: U5.58 U8.2 | length 777.5
  Top Layer w12: v1(9151,3862) 9151,3992 9150,3993 9273,4116 9542.31,4116 9581,4154.69 9581,4184.06 U8.2@9586.94,4190
  Bottom Layer w12: v1(9151,3862) 9179.6,3862 9210.84,3893.24 9210.84,3929.82 U5.58@9211.53,3930.5
V3.3: C13.1 C14.2 C16.1 C17.1 C18.1 C19.1 C20.1 C21.2 C24.1 C25.1 C26.1 D5.2 D7.2 P1.5 R3.1 R4.1 R5.1 R8.1 R9.1 R11.1 R12.1 R13.1 R15.1 R16.1 R17.1 R18.1 R19.1 R22.1 R23.1 R24.1 R25.1 R26.1 R31.2 R32.2 R33.2 R39.1 Relay1.1 S2.2 U4.2 U4.4 U5.1 U5.13 U5.19 U5.32 U5.48 U5.64 U6.2 U7.24 U8.12 V3.3.1 | length 18465.4
  Top Layer w12: 9340,3940 9359,3959 v3@9385,3959 ; v1(9706,2713) 9710,2713 9898,2901 v1(9898,3237) 9915,3237
  Top Layer w20: 9340,3902 9340,3940
  Top Layer w30: v1(3695,3875) 3701,3869 3699,3867 v1(3699,3654) ; v1@8968,2826 v1(8976,2818) ; U8.12@8992.39,4213 8992.39,3935.39 v1(8951,3894) 9026,3819 9257,3819 9340,3902 ; 9188,3418 9215,3445 ; v1(9215,3594) 9215,3445 ; v1(9334,3291) 9334,3326 9215,3445 ; v3@9385,3959 v1(9440,3904)
  Top Layer w50: v3(2539,1895) 2539,2034 2619,2114 3150,2114 3764,2728 4174,2728 v3@4174,3568 ; v3(6062,3708) V3.3.1@6062.01,3935.12 ; v1@8968,2826 v3(8968,3478) ; 9188,3418 v1(9188,2777) ; v1(9297,2133) 9271,2133 9188,2216 v1(9188,2777) ; v1(9706,2713) 9252,2713 v1(9188,2777)
  Bottom Layer w12: 7124,3577.51 7125.98,3575.53 ; U5.48@8963.5,3860 9025.98,3860 ; v1@8973,2821 v1(8976,2818) ; R32.2@9176.51,2843.51 R32.2@9177,2844 ; 9177,2788 v1(9188,2777) ; U5.19@9290.27,3493.5 9290.27,3382.73 9303,3370 C24.1@9341,3370 ; v1@9294,2136 v1(9297,2133) ; U5.64@9330.5,3930.5 v3(9374,3974) ; U5.13@9400.5,3623.42 9446.87,3623.42 9496,3574.29 R39.1@9496,3603 ; 9440,3859.64 9489.36,3859.64 C16.1@9491,3858 ; C17.1@9505,4038 C17.1@9505,4042 ; U6.2@9665.94,3100 9723.69,3100 R33.2@9776.2,3047.49 9793.51,3047.49 9843.69,2997.31 9843.69,2802.69 9801,2760 C21.2@9777,2760 9753,2760 v1(9706,2713) ; P1.5@9968.8,3237 P1.5@9971,3234.8
  Bottom Layer w20: 9025.98,3860 9026.9,3859.07 9029.93,3859.07 9215,3674 v1(9215,3594) ; C16.1@9491,3858 9555,3922 9555,3988 C17.1@9505,4038
  Bottom Layer w30: v1(3699,3654) 3699,3580.31 R5.1@3701.8,3577.51 ; R11.1@4490.2,3577.51 R9.1@4568,3577.51 R8.1@4644,3577.51 ; 6053,3577.51 6065,3589.51 6064,3590.51 6065,3591.51 ; S2.2@8466,4254 8466,4098 8619,3945 C26.1@8712,3945 C20.1@8798,3945 C19.1@8878,3945 8886.35,3945 8963.5,3867.86 ; U7.24@9206.27,2136 v1@9294,2136 ; v1(9334,3291) C24.1@9334,3364 ; 9440,3871 v1(9440,3904) ; R39.1@9496,3574.29 9496,3545 9806,3235 9808,3237 v1(9898,3237) P1.5@9968.8,3237
  Bottom Layer w50: 3631,4133 3631,4108.02 Relay1.1@3527.98,4005 3565,4005 v1(3695,3875) ; 3749,3577.51 R3.1@3857,3577.51 R11.1@4490.2,3577.51 ; D5.2@4041,2625 4056,2610 4176,2730 ; R8.1@4644,3577.51 R15.1@5629.2,3577.51 R13.1@5707,3577.51 R12.1@5786,3577.51 6053,3577.51 R18.1@6421.8,3577.51 R17.1@6499.59,3577.51 R16.1@6577.59,3577.51 7124,3577.51 R23.1@7561.2,3577.51 R22.1@7639.2,3577.51 R19.1@7716.2,3577.51 R26.1@8346.8,3577.51 R25.1@8425.8,3577.51 R24.1@8502.8,3577.51 8603.49,3577.51 8699,3482 9011,3482 ; 6061,3591.51 6062,3592.51 v3(6062,3708) ; v1(8976,2818) 9017,2777 v1(9188,2777) ; R31.2@9086.8,2843.51 R32.2@9176.51,2843.51 ; 9177,2788 R32.2@9177,2844
  Bottom Layer w60: C14.2@2532,1994 2597.45,1994 C13.1@2628.76,1962.69 2776.69,1962.69 2810,1994 ; v3(2539,1895) C14.2@2539,1989 ; U4.4@2808,1821.25 U4.4@2810,1821.25 ; U4.2@2808,2087 2810,1994 ; 2952.75,1821.25 U4.4@2810,1821.25 ; R5.1@3701.8,3577.51 3749,3577.51 ; U4.4@2810,1821.25 2810,1994
  other v1: 4100,2731 4147,2731 4255,2732 4302,2732 4100,2774 4147,2774 4255,2775 4302,2775
  other v3: 4172,3575
V5: C8.1 C9.2 C10.2 C11.1 C12.2 C15.2 D6.2 L1.2 R27.1 R27.3 R27.5 R27.7 R28.1 R28.3 R28.5 U2.4 U3.31 U3.32 U3.33 U4.3 V5.1 | length 7637.1
  Top Layer w12: v1(5155,3513) v1@5161,3519 ; 6065,4410.09 6066.95,4412.05
  Top Layer w20: v1(5276,3391) 5279,3388 v1@5279,3385 ; v1(5844,3665) v1@5848,3661 ; v1(6065,4335) 6065,4410.09
  Top Layer w30: v1(5155,3513) 5155,3557 v1(5240,3642) ; v1@5848,3661 6174,3661 6272,3759 6272,3924.85 V5.1@6259.84,3937.01
  Top Layer w50: 2682,2200 2678,2204 2678,2464 2745,2531 3058,2531 ; v1@3775,1857 3775,2602 3830,2657 5243,2657 5359,2773 5359,3305 v1@5279,3385 ; 6067.91,4413 6066.95,4412.05 U3.32@6079.99,4412.05 6096,4412.05
  Bottom Layer w12: 6028,4088.41 6035,4081.41 ; 6065,4316.53 v1(6065,4335)
  Bottom Layer w20: v1@5155,3512 v1(5155,3513) 5276,3392 v1(5276,3391) ; 6028,4088.41 6025.15,4091.26 6025.15,4273.15 6060,4308 6060,4311.53 6065,4316.53
  Bottom Layer w30: v1(5240,3642) 5261,3663 5845,3663 5844,3664 v1(5844,3665)
  Bottom Layer w50: 2682,2200 2807.33,2200 L1.2@2807.44,2199.89 2819.11,2199.89 2897,2122 U4.3@2897,2090 ; U4.3@2898.55,2087 2898.55,1998.45 2934.31,1962.69 C11.1@2987,1962.69 3058.69,1962.69 C12.2@3089,1993 D6.2@3183.4,1898.6 ; 3058,2531 3159.03,2531 U2.4@3160.85,2529.18 ; D6.2@3188.98,1853.6 C8.1@3379.9,1853.6 ; C8.1@3477.41,1867.41 C9.2@3589,1979 C10.2@3694,1979 3743,1979 3782,1940 v1(3782,1868) ; C15.2@5976,4081.41 6035,4081.41 R27.7@6206.5,4081.41 R27.5@6238,4081.41 R27.3@6269.5,4081.41 6269.5,3927.35 V5.1@6259.84,3937.01
  other v1: 3780,1915 2621,2190 2668,2190 2712,2190 2621,2233 2668,2233 2712,2233 3003,2502 3050,2502 3003,2545 3050,2545
V12: C6.1 C7.2 D1.2 Relay1.2 U2.1 V12.1 | length 7157.1
  Top Layer w12: 3402,4111 3541,4250 5498,4250 v1(5502,4246)
  Top Layer w60: v3(2817,2623) 3202,2623 3203,2622 3344,2763 3344,4002 3402,4060 3402,4111
  Bottom Layer w12: v1(5502,4246) 5503,4246 5834,3915 5844.13,3915 V12.1@5866.14,3937.01
  Bottom Layer w60: 2408,2327.73 2408,2469 2496.5,2557.5 ; D1.2@2473.73,2262 2408.73,2327 U2.1@3139,2327 ; 2494.5,2554.5 2602,2662 C6.1@2669.41,2662 ; C7.2@2759,2794 2759,2774 2669.41,2684.41 C6.1@2669.41,2662 ; v3(2817,2623) 2710.41,2623 2709.41,2622 cw(c2709.41,2662) C6.1@2669.41,2662 ; Relay1.2@3402,4005 3402,4094 ; 3405,4097 3405,4101
  Bottom Layer w65: 2408,2327.73 2408.66,2328.39 U2.1@3196.39,2328.39
  other v1: 3385,4112
  other v5: 3385,4080 3422,4080 3422,4112
VH: 240K.2 C1.1 D4.2 R1.1 R10.1 R20.1 R21.1 R29.1 R30.1 R35.1 R36.1 VH.1 | length 13636.6
  Top Layer w12: v3@8021,3931 v3@8021,3940.51
  Top Layer w50: v3(3042,4259) 3102,4259 3203,4360 5455,4360 ; v4(5467,2692) 5510,2649 6261,2649 ; v3@6147,2812 6147,2763 6261,2649 ; v4(7208,3122) 7208,2653 7212,2649 ; v3(8020,3931) 8020,2775 7894,2649 7212,2649 ; 6261,2649 7212,2649
  Bottom Layer w12: VH.1@5950.29,3951.29 VH.1@5974.57,3927.01
  Bottom Layer w50: D4.2@2749.42,4262 2764,4247.42 2764,4096 C1.1@2774,4086 2863,4086 2941,4164 R1.1@3040,4164 ; R1.1@3040.49,4163.8 3040.49,4257.49 v3(3042,4259) ; R20.1@3961.72,3670 3977.72,3686 4593,3686 4654.51,3747.51 R21.1@4746.8,3747.51 5191.77,3747.51 5417.26,3973 5422,3973 5422,4277 v3(5481,4336) 5565,4336 R10.1@5567,4334 ; 240K.2@5306,3092 5305,3093 240K.2@5305,3178 5305,3177.04 5379,3103.04 5379,2780 v4(5467,2692) ; R10.1@5581,4337 5581,4234 5801,4014 5887.57,4014 VH.1@5950.29,3951.29 ; VH.1@5964.57,3917.01 5964.57,3866.43 6005,3826 7376,3826 7490.51,3940.51 R35.1@7643,3940.51 R36.1@8421.8,3940.51 ; R29.1@6059.2,2897.6 R30.1@6152.2,2897.6 ; v3(6145,2812) 6145,2890.39 R30.1@6150.2,2895.6 ; v4(7208,3122) 7262,3122
pads on no net: H1.1 H2.1 H3.1 H4.1 N1.2 N1.13 N2.2 N2.13 N3.2 N3.13 N4.2 N4.13 N5.2 N5.13 N6.2 N6.13 R28.8 Relay1.4 Relay1.5 Relay1.6 Relay1.7 S1.3 U3.36 U3.37 U3.38 U3.39 U3.41 U3.42 U3.43 U3.44 U5.2 U5.3 U5.4 U5.8 U5.9 U5.10 U5.11 U5.14 U5.15 U5.16 U5.17 U5.33 U5.39 U5.40 U5.41 U5.57 U6.1 U7.1 U7.7 U7.8 U7.9 U7.10 U7.16 U7.17 U7.18 U7.19 U7.20 U7.22 U7.23 U7.25 U7.28 U8.3 U8.4 U8.5 U8.6 U8.7 U8.8 U8.9 U8.10 U8.11 U8.14 U8.15 U8.16 U8.17 U8.18 U8.19 U8.20 U8.22 U8.23 U8.24 U8.25 U8.26 U8.27 U8.28 U8.29 U8.30 U8.31 U8.33

## Polygon pours and split planes (outlines as drawn)
AGND on Top Layer "Bottom Layer-No Net" (solid, remove dead copper, pour order 0): 2165.35,4724.41 2165.35,1771.65 3818.9,1771.65 3838.58,1751.97 3838.58,2559.06 5255.91,2559.06 5216.54,2598.43 5216.54,4724.41 2165.35,4724.41
DGND on Top Layer "Bottom Layer-No Net" (solid, remove dead copper, pour order 6): 5314.96,4724.41 5314.96,2559.06 8444.88,2559.06 8464.57,2539.37 8464.57,1771.65 10039.37,1771.65 10039.37,4724.41 5314.96,4724.41
AGND on Bottom Layer "Bottom Layer-No Net" (solid, remove dead copper, pour order 2): 2165.35,4724.41 5216.54,4724.41 5216.54,2598.43 5255.91,2559.06 3799.21,2559.06 3799.21,1771.65 2165.35,1771.65 2165.35,4724.41
DGND on Bottom Layer "Bottom Layer-No Net" (solid, remove dead copper, pour order 4): 5314.96,4724.41 5314.96,2559.06 8425.2,2559.06 8464.57,2519.68 8464.57,1771.65 10039.37,1771.65 10039.37,4724.41 5314.96,4724.41

## Keep-outs
Keep-Out Layer:
  lines w10: 2166,4527.88 cw(c2362.2,4528.2) 2361.88,4724.41 ; 2166,4528.2 2166,1968.5 ccw(c2362.2,1968.5) 2362.2,1772.3 ; 2362.2,4724.41 9842.52,4724.41 cw(c9842.52,4527.56) 10039.37,4527.56 10039.37,2362.2 10039.37,1968.5 ; 10039.37,4330.71 10039.37,1968.5 ; 9842.52,1771.65 ccw(c9842.52,1968.5) 10039.37,1968.5 ; 9842.52,1771.65 2362.2,1771.65 9842.52,1771.65

## Other copper
Top Layer:
  rectangle: 2733,1812 3663,2054
  rectangle net V5: 2974,2476 3086,2572
  rectangle net V5: 2593,2162 2855,2259
  rectangle net V3.3: 4062,2698 4337,2805
  pour cut-out: 10154,4222 10144,4232 9793,4232 9793,3672 9788,3667 9795,3660 10160,3660
Bottom Layer:
  rectangle net V5: 2974,2476 3086,2572
  rectangle net V5: 2593,2162 2855,2259
  rectangle net V3.3: 4062,2698 4337,2805
  rectangle net AGND: 5122,4229 5249,4461
  pour cut-out: 10143,4223 10133,4233 9782,4233 9782,3673 9777,3668 9784,3661 10149,3661

## Silkscreen, mask and mechanical layers (free items; w line width, h text height)
Top Overlay:
  text "technology" at 7362.2,4015.75 h400
  text "Science" at 4015.75,4012.42 h400
Top Solder:
  drawing of 18812 lines, arcs and shapes, not listed
  text "ON" at 2600,3471 h160
  text "OFF" at 2600,2658 h160
Bottom Solder:
  rectangle: 9938,3302 10004,3368

## Text inside footprints (layer, text, board x,y; h text height)
A42: Mechanical 1 "U1" at 5095.17,2964.31 h23.62 r90
A42: Mechanical 1 "U1" at 5095.17,3431.31 h23.62 r90
A42: Mechanical 1 "U1" at 7060.17,3365.31 h23.62 r90
A42: Mechanical 1 "U1" at 7065.17,2954.31 h23.62 r90
C4: Bottom Overlay "+" at 3123,3877 h78.74
F1: Bottom Overlay "~" at 2391,2638 h98.43
LOGO1: Top Solder "集" at 6049.13,2114.41 h30; Top Solder "大" at 6154.13,2114.41 h30; Top Solder "电" at 6081.13,2079.41 h30; Top Solder "协" at 6118.13,2079.41 h30; Top Layer "协" at 6118.13,2079.41 h30; Top Layer "电" at 6081.13,2079.41 h30; Top Layer "大" at 6154.13,2114.41 h30; Top Layer "集" at 6049.13,2114.41 h30
LOGO?: Top Overlay "1918" at 9344.1,2974.18 h50